# Altium PCB AUV4.5-2 Lights Control Board.PcbDoc (part 2 of 2)
Units mm, origin at the board's own origin, x right, y up, seen from the top; angles counter-clockwise.
Board outline 55 x 65 mm, 4 copper layers (L1 (SIG + PWR), L2 (GND), L3 (GND), L4 (SIG + PWR)), stack 1.586 mm thick; 88 components, 83 nets, 348 pads, 169 vias.
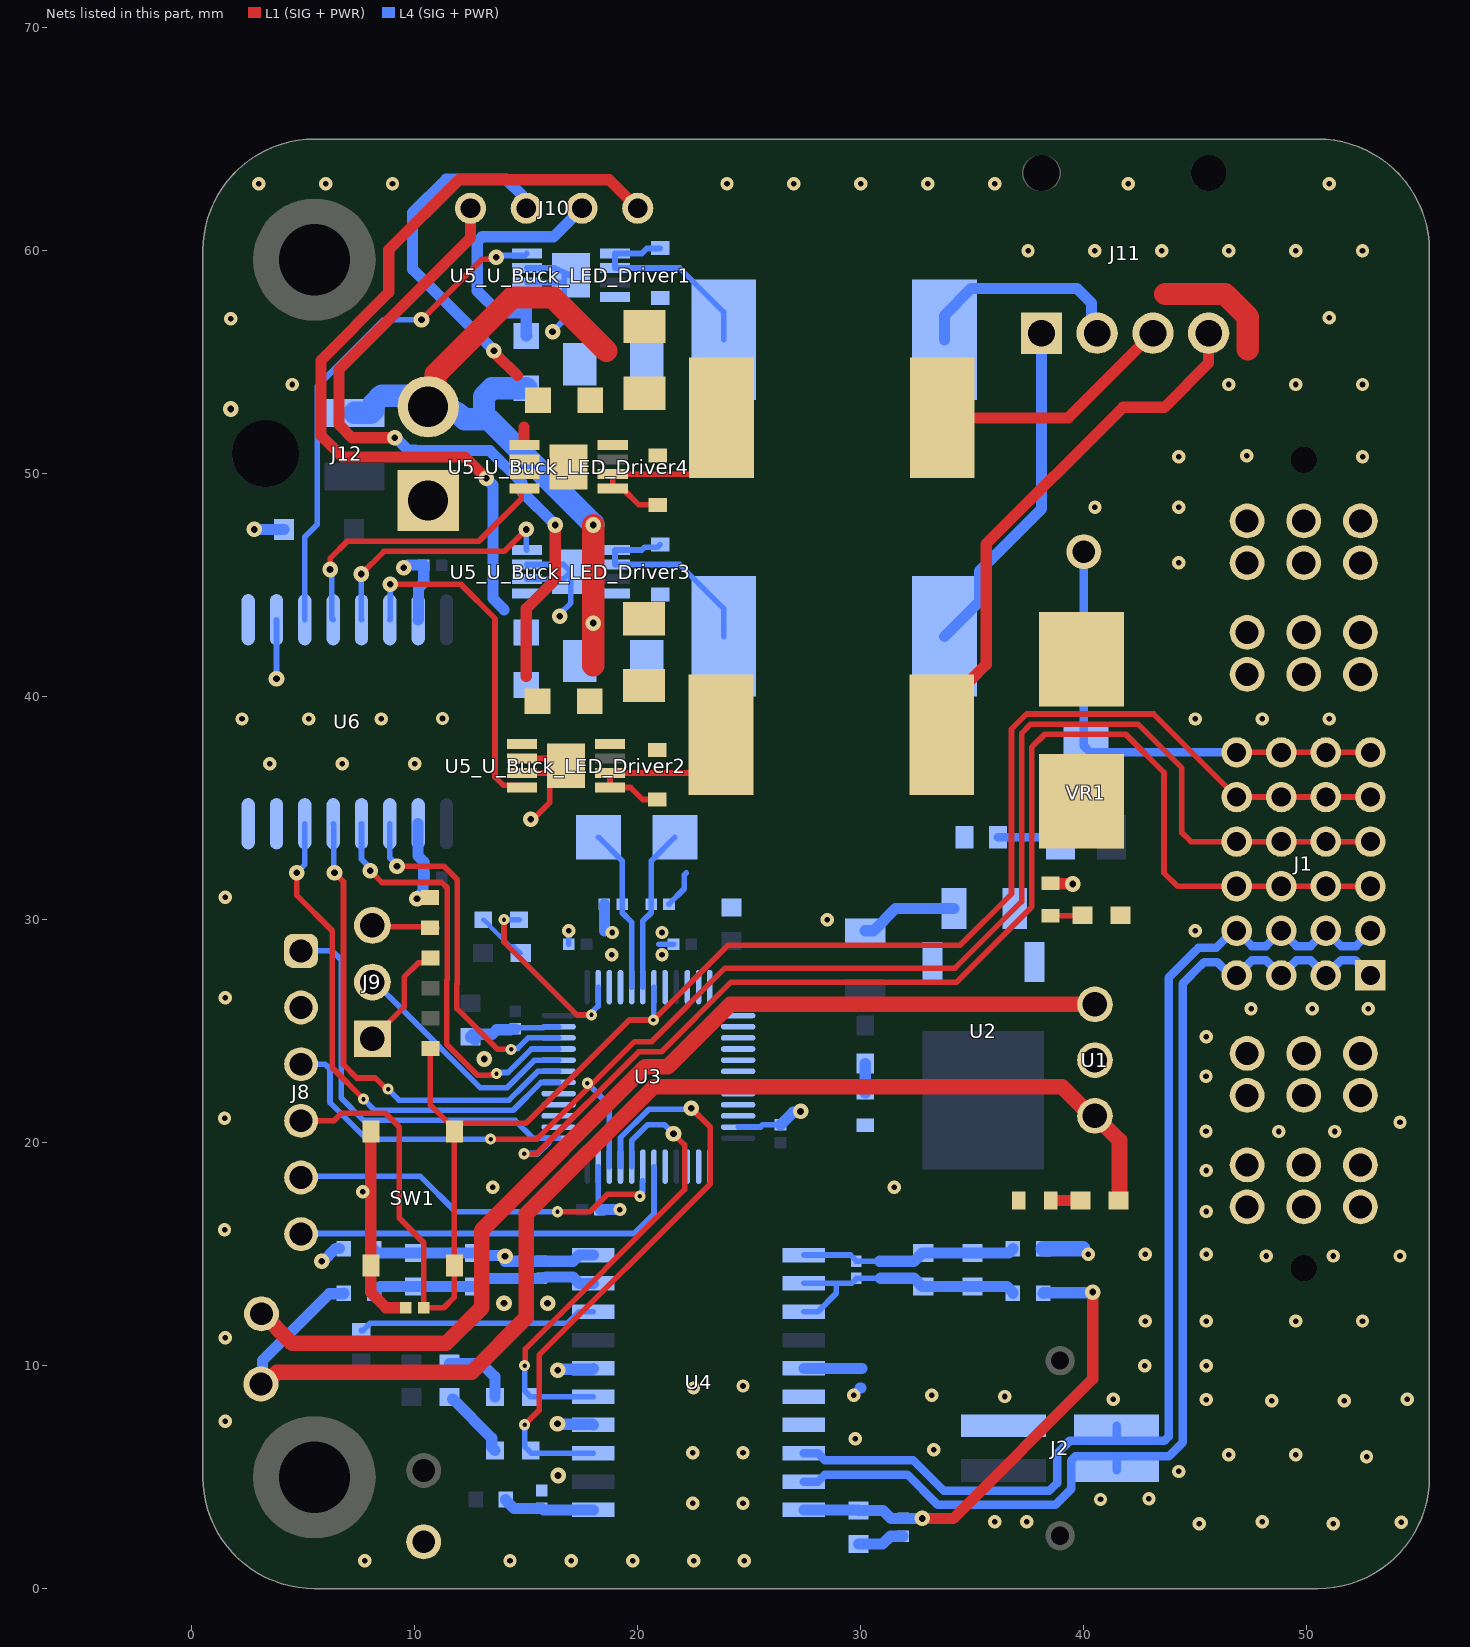
[diagram p4: the nets of this part, all layers, seen from the top]

## Via types
v1: diameter 0.6, hole 0.25, L1 (SIG + PWR) to L4 (SIG + PWR), tented both sides, 113 vias
v2: diameter 0.7, hole 0.3, L1 (SIG + PWR) to L4 (SIG + PWR), tented both sides, 42 vias
v3: diameter 0.5, hole 0.2, L1 (SIG + PWR) to L4 (SIG + PWR), tented both sides, 14 vias

## Nets (pads, with @x,y where several pads share a name; then routed paths per layer and width w, separated by ;. In a path a pad name is that pad's centre, name@x,y a point inside that pad or via, vN(x,y) a via of type N, cw(c..) or ccw(c..) an arc to the next point about the centre after c; other vN are vias at no path point) (continued)
+5V: C1.2 FB2.1 J5.1 R3.1 U1.3 U2.3 | length 56.1
  L1 (SIG + PWR) w0.7: J5.1@3.1,9.5 3.209,9.391 3.502,9.391 3.81,9.7 12.543,9.7 15,12.157 15,16.8 20.7,22.5 39.038,22.5 40.338,21.2 U1.3@40.5,21.2 41.6,20.1 41.6,17.45 R3.1@41.55,17.4
  L4 (SIG + PWR) w0.5: J5.1@3.1,9.5 3.166,9.566 3.166,10.226 6.161,13.221 6.796,13.221 FB2.1@6.825,13.25
+12V: F1.2 J4.1 R2.1 U1.1 | length 46.3
  L1 (SIG + PWR) w0.7: J4.1@3.075,12.425 4.5,11 11.4,11 13,12.6 13,16.073 20.327,23.4 21.342,23.4 24.142,26.2 U1.1@40.5,26.2
+12V_IN: F1.1 J1.P03_1 J1.P03_2 J1.P03_3 J1.P03_4 J1.P03_5 J1.P03_6
+14.8V_UN-ISO: C22_U_Buck_LED_Driver1.2 C22_U_Buck_LED_Driver2.2 C22_U_Buck_LED_Driver3.2 C22_U_Buck_LED_Driver4.2 D4_U_Buck_LED_Driver1.1 D4_U_Buck_LED_Driver2.1 D4_U_Buck_LED_Driver3.1 D4_U_Buck_LED_Driver4.1 J12.2 R12_U_Buck_LED_Driver1.1 R12_U_Buck_LED_Driver2.1 R12_U_Buck_LED_Driver3.1 R12_U_Buck_LED_Driver4.1 R13.1 U5_U_Buck_LED_Driver1.8 U5_U_Buck_LED_Driver2.8 U5_U_Buck_LED_Driver3.8 U5_U_Buck_LED_Driver4.8 | length 34.6
  L1 (SIG + PWR) w1: J12.2@10.6,53 10.925,53.325 10.925,54.456 14.369,57.9 16.2,57.9 18.6,55.5 ; 18,41.396 v2(18,47.7)
  L4 (SIG + PWR) w1: R13.1@7.3,52.725 8.025,52.725 8.15,52.85 8.15,53.134 8.516,53.5 9.626,53.5 10.126,53 10.892,53 cw(c10.892,51.102) 12.234,52.444 13.1,52.444 ; R12_U_Buck_LED_Driver1.1@15,53.825 13.466,53.825 13.1,53.459 13.1,52.444 ; v2(18,47.7) 18,47.749 13.304,52.444 13.1,52.444
  other v2: 18,43.3
Board_ID: J1.A06 J1.B06 J1.C06 J1.D06 J7.1 VR1.2 | length 21.7
  L1 (SIG + PWR) w0.254: J1.D06@46.855,37.5 J1.C06@48.855,37.5 J1.B06@50.855,37.5 J1.A06@52.855,37.5
  L4 (SIG + PWR) w0.381: J7.1@40,46.5 40,37.8 40.3,37.5 J1.D06@46.855,37.5
BOOT0: J9.2 U3.44 | length 10.7
  L4 (SIG + PWR) w0.254: J9.2@8.3,27.24 8.3,27.1 9.352,26.048 12.931,22.469 14.145,22.469 15.375,23.698 16.448,23.698 U3.44@16.45,23.7
BOOT1: U3.20
CAN_N: J1.A02 J1.B02 J1.C02 J1.D02 J2.4 U4.18 | length 51.7
  L4 (SIG + PWR) w0.381: U4.18@27.45,6.07 28.075,6.07 28.393,5.752 32.356,5.752 33.709,4.399 38.462,4.399 38.8,4.738 38.8,6.063 39.372,6.635 41.47,6.635 ; J2.4@41.47,7.3 41.47,6.635 ; J1.A02@52.855,29.5 52.855,29.464 52.209,28.817 51.537,28.817 J1.B02@50.855,29.5 50.172,28.817 49.537,28.817 J1.C02@48.855,29.5 48.172,28.817 47.537,28.817 J1.D02@46.855,29.5 46.697,29.5 45.932,28.735 45.137,28.735 45,28.598 44.172,27.77 43.8,27.398 43.8,6.82 43.615,6.635 41.47,6.635
CAN_P: J1.A01 J1.B01 J1.C01 J1.D01 J2.2 U4.19 | length 51.6
  L4 (SIG + PWR) w0.381: U4.19@27.45,4.8 28.075,4.8 28.393,5.117 32.093,5.117 33.446,3.764 38.725,3.764 39.435,4.475 39.435,5.745 39.62,5.93 41.47,5.93 ; J2.2@41.47,5.3 41.47,5.93 ; J1.A01@52.855,27.5 52.361,27.994 52.361,27.998 52.177,28.182 51.537,28.182 J1.B01@50.855,27.5 50.172,28.182 49.537,28.182 J1.C01@48.855,27.5 48.172,28.182 47.537,28.182 J1.D01@46.855,27.5 46.588,27.5 45.988,28.1 45.4,28.1 45.263,27.963 44.435,27.135 44.435,6.557 43.808,5.93 41.47,5.93
CAN_RX: D3.1 U3.32 U4.5 | length 21.4
  L1 (SIG + PWR) w0.254: v3(14.925,10) 14.958,10.033 14.958,10.754 22.1,17.896 22.1,19.9 v2(21.6,20.4)
  L4 (SIG + PWR) w0.254: v3(14.925,10) 14.927,9.998 14.927,8.873 D3.1@15.2,8.6 15.21,8.61 U4.5@18,8.61 ; U3.32@19.725,18.925 19.725,20.083 20.442,20.8 21.2,20.8 v2(21.6,20.4)
CAN_TX: D2.1 U3.33 U4.3 | length 27.1
  L1 (SIG + PWR) w0.254: v3(14.925,7.35) 15.575,8 15.575,10.475 23.246,18.146 23.246,20.7 v2(22.4,21.546)
  L4 (SIG + PWR) w0.254: v3(14.925,7.35) 14.927,7.348 14.927,6.373 D2.1@15.13,6.17 ; D2.1@15.23,6.07 U4.3@18,6.07 ; U3.33@19.225,18.925 19.225,20.225 20.5,21.5 22.354,21.5 v2(22.4,21.546)
CANISO_+5V: C14.1 C15.1 FB3.1 U4.20 | length 21.9
  L1 (SIG + PWR) w0.5: v2(32.75,3.15) 34.15,3.15 40.4,9.4 v2(40.4,13.3)
  L4 (SIG + PWR) w0.5: U4.20@27.45,3.53 29.9,3.53 C15.1@29.9,3.5 31,3.5 31.35,3.15 C14.1@31.9,3.15 v2(32.75,3.15) ; FB3.1@38.175,13.25 FB3.1@38.2,13.275 ; FB3.1@38.186,13.243 38.211,13.268 40.386,13.268 v2@40.411,13.293 ; v2@40.375,13.275 v2(40.4,13.3)
CANISO_GND: C14.2 C15.2 FB5.1 J1.P01_1 J1.P01_2 J1.P01_3 J1.P01_4 J1.P01_5 J1.P01_6 J1.P02_1 J1.P02_2 J1.P02_3 J1.P02_4 J1.P02_5 J1.P02_6 J2.3 U4.15 U4.16 U4.17 | length 6.5
  L4 (SIG + PWR) w0.5: U4.15@27.45,9.88 30.045,9.88 30.05,9.875 ; C15.2@29.9,2 30.975,2 31.325,2.35 C14.2@31.9,2.35 ; 29.973,9 30,9
  L4 (SIG + PWR) w0.7: FB5.1@38.186,15.243 39.961,15.243
  other v1: 45.18,2.918 51.18,2.918 54.229,2.979 36,3 37.437,3.005 48,3 40.75,4 42.922,4.027 44.252,5.255 52.68,5.918 46.5,6 49.5,6 33.268,6.221 29.754,6.73 48.43,8.418 51.68,8.418 41.314,8.493 45.484,8.48 54.5,8.5 36.451,8.616 29.68,8.668 33.18,8.668 45.496,9.991 42.731,10.001 42.75,12 45.5,12 49.5,12 52.5,12 48.18,14.918 51.18,14.918 54.18,14.918 40.204,14.992 42.75,15 45.5,15 45.5,16.912 45.5,18.75 45.482,20.507 48.75,20.5 51.25,20.5 54.18,20.918 45.482,22.976 45.5,24.75 47.5,26 50.25,26 52.75,26 45,29.5
FB_GND: C13.2 C16.2 C17.2 C18.2 FB4.2 U4.4 U4.6 U4.10 | length 13.3
  L4 (SIG + PWR) w0.5: FB4.2@8.175,15.2 8.175,15.175 8.3,15.05 C16.2@10,15.05 12.788,15.05 12.9,14.938 14.008,14.938 v2(14.046,14.9) ; v2@14.046,14.679 C18.2@15.7,14.679 17.094,14.679 17.375,14.96 U4.10@18,14.96 ; v2(16.4,7.4) 16.43,7.37 17.97,7.37 U4.4@18,7.34 ; v2(16.406,9.8) 16.444,9.838 17.958,9.838 U4.6@18,9.88
  other v2: 16.425,5.075 14,12.8 15.954,12.8
GND: C3.1 C4.1 C5.1 C6.1 C7.1 C8.1 C9.1 C10.1 C11.1 C12.1 C23.1 DS1.2 DS2.2 DS3.2 FB4.1 J1.P04_1 J1.P04_2 J1.P04_3 J1.P04_4 J1.P04_5 J1.P04_6 J3.1 J8.2 R1.1 R5.1 SW1.3 SW1.4 U1.2 U2.1 U3.8 U3.23 U3.35 U3.47 U6.2 U6.7 U6.8 U6.10 | length 31.9
  L1 (SIG + PWR) w0.5: SW1.3@8.025,20.5 SW1.4@8.025,14.5 8.025,13.275 8.7,12.6 C12.1@9.6,12.6 ; DS1.2@38.5,31.625 38.512,31.612 39.488,31.612 v2(39.5,31.6)
  L4 (SIG + PWR) w0.254: v2(3.8,40.8) U6.10@3.8,43.45 ; C7.1@14.5,25.1 14.56,25.16 15.764,25.16 15.802,25.198 16.448,25.198 U3.47@16.45,25.2 ; C4.1@16.9,28.9 v1(16.9,29.496) ; U3.35@18.225,18.925 18.225,17.075 C6.1@18.3,17 ; 20.947,28.9 C8.1@21.6,28.9 ; C11.1@21.4,30.7 22.083,31.383 22.083,32.007 22.169,32.093 ; U3.23@24.5,20.7 25.5,20.7 25.6,20.8 C5.1@26.4,20.8
  L4 (SIG + PWR) w0.5: v2(5.825,14.675) 5.877,14.675 6.452,15.25 FB4.1@6.625,15.25 ; v2(10.1,30.938) 10.1,30.992 10.369,31.261 10.369,31.703 10.39,31.724 10.39,31.89 C23.1@10.4,31.9 10.4,32.6 10.15,32.85 U6.2@10.15,34.3 ; C3.1@12.5,24.723 12.577,24.723 C3.1@12.7,24.6 ; C3.1@12.5,24.75 12.612,24.862 13.462,24.862 13.662,25.062 14.295,25.062 14.324,25.09 14.49,25.09 C7.1@14.5,25.1 ; v2@13.075,23.791 v2(13.114,23.753) ; C6.1@18.3,17 v1(19.2,17) ; 18.5,29.5 C10.1@18.5,30.7 ; C5.1@26.4,20.8 26.962,21.362 27.262,21.362 v2(27.3,21.4)
  other v1: 7.75,1.25 14.268,1.26 17.018,1.26 19.768,1.26 22.518,1.26 24.768,1.26 22.468,3.838 24.718,3.838 22.468,6.088 24.718,6.088 1.5,7.5 22.5,9 24.718,9.088 1.5,11.25 1.468,16.088 7.674,17.807 13.5,18 31.5,18 1.468,21.088 1.5,26.5 18.825,28.425 21.086,28.425 18.85,29.425 21.086,29.425 28.5,30 1.5,31 3.5,37 6.75,37 10,37 2.25,39 5.25,39 8.5,39 11.241,39.021 45,39 48,39 51,39 44.25,46 40.5,48.5 44.25,48.5 44.25,50.75 52.5,50.75 47.312,50.8
GND_UN-ISO: C22_U_Buck_LED_Driver1.1 C22_U_Buck_LED_Driver2.1 C22_U_Buck_LED_Driver3.1 C22_U_Buck_LED_Driver4.1 C24.1 D5.2 J12.1 U5_U_Buck_LED_Driver1.2 U5_U_Buck_LED_Driver1.3 U5_U_Buck_LED_Driver1.9 U5_U_Buck_LED_Driver2.2 U5_U_Buck_LED_Driver2.3 U5_U_Buck_LED_Driver2.9 U5_U_Buck_LED_Driver3.2 U5_U_Buck_LED_Driver3.3 U5_U_Buck_LED_Driver3.9 U5_U_Buck_LED_Driver4.2 U5_U_Buck_LED_Driver4.3 U5_U_Buck_LED_Driver4.9 U6.9 U6.15 | length 30.5
  L1 (SIG + PWR) w0.254: U5_U_Buck_LED_Driver2.3@14.802,36.575 U5_U_Buck_LED_Driver2.9@16.452,36.575 ; U5_U_Buck_LED_Driver2.2@14.802,37.225 16.452,37.225 U5_U_Buck_LED_Driver2.9@16.777,36.9 U5_U_Buck_LED_Driver2.9@16.452,36.575 ; v2(15.2,34.5) 15.3,34.5 16.054,35.254 16.054,36.177 U5_U_Buck_LED_Driver2.9@16.452,36.575
  L1 (SIG + PWR) w1: 43.655,58.055 46.327,58.055 47.355,57.027 47.355,55.573
  L4 (SIG + PWR) w0.254: U5_U_Buck_LED_Driver3.2@15.025,45.275 16.675,45.275 U5_U_Buck_LED_Driver3.9@17,45.6 ; U5_U_Buck_LED_Driver3.3@15.025,45.925 16.675,45.925 U5_U_Buck_LED_Driver3.9@17,45.6 ; U5_U_Buck_LED_Driver1.2@15.025,58.575 U5_U_Buck_LED_Driver1.9@16.7,58.575 ; U5_U_Buck_LED_Driver1.3@15.025,59.225 16.277,59.225 U5_U_Buck_LED_Driver1.9@17,58.9 16.7,58.9 U5_U_Buck_LED_Driver1.9@16.7,58.575 ; v2(16.179,56.36) 16.179,56.379 16.7,56.9 U5_U_Buck_LED_Driver1.9@16.7,58.575 ; v2(16.5,43.6) 16.5,43.7 17,44.2 U5_U_Buck_LED_Driver3.9@17,45.6
  L4 (SIG + PWR) w0.5: v2(2.8,47.5) D5.2@4.125,47.5 ; v2(9.5,45.783) 9.554,45.783 9.671,45.9 C24.1@10.4,45.9 10.4,45.1 10.169,44.869 10.169,43.469 U6.15@10.15,43.45
  other v1: 4.5,54 46.5,54 49.5,54 52.5,54 1.744,56.948 51,57 37.5,60 40.5,60 43.5,60 46.5,60 49.5,60 52.5,60 3,63 6,63 9,63 24,63 27,63 30,63 33,63 36,63 42,63 51,63
  other v2: 1.75,52.9
LED1_A: J10.1 R12_U_Buck_LED_Driver3.2 U5_U_Buck_LED_Driver3.1 | length 37
  L1 (SIG + PWR) w0.5: v2(13.2,49.8) 12.245,50.755 6.749,50.755 5.792,51.712 5.792,55.081 8.83,58.119 8.83,60.038 11.97,63.178 18.721,63.178 J10.1@20,61.9
  L4 (SIG + PWR) w0.5: v2(13.2,49.8) 13.2,49.78 13.5,49.48 13.5,44.4 14,43.9
LED1_K: J11.1 L1_U_Buck_LED_Driver3.1 | length 15.4
  L4 (SIG + PWR) w0.5: L1_U_Buck_LED_Driver3.1@33.75,42.7 35.323,44.273 35.323,45.639 38.1,48.416 J11.1@38.1,56.3
LED1_PWM: U3.45 U6.4 | length 19.2
  L1 (SIG + PWR) w0.254: v2(8,32.2) 8.531,31.669 11.216,31.669 11.454,31.431 11.454,27.316 11.433,27.295 11.433,24.399 12.811,23.022 13.416,23.022 13.448,23.053 13.618,23.053 v3(13.665,23.1)
  L4 (SIG + PWR) w0.254: U6.4@7.61,34.3 7.61,32.711 8,32.321 v2(8,32.2) ; v3(13.665,23.1) 13.712,23.147 14.182,23.147 15.235,24.2 U3.45@16.45,24.2
LED1_PWM_UNISO: U5_U_Buck_LED_Driver3.4 U6.13 | length 11.2
  L1 (SIG + PWR) w0.254: v2(7.6,45.5) 8.614,46.514 14.014,46.514 v2(15,47.5)
  L4 (SIG + PWR) w0.254: v2(7.6,45.5) 7.605,45.495 7.605,43.455 U6.13@7.61,43.45 ; v2(15,47.5) 15,46.6 U5_U_Buck_LED_Driver3.4@15.025,46.575
LED2_A: J10.2 R12_U_Buck_LED_Driver1.2 U5_U_Buck_LED_Driver1.1 | length 11.7
  L4 (SIG + PWR) w0.5: 15,57.7 15,57.2 ; R12_U_Buck_LED_Driver1.2@15.025,56.2 R12_U_Buck_LED_Driver1.2@15,56.175 15,57.2 ; J10.2@17.5,61.9 16.221,60.621 13.02,60.621 12.8,60.402 12.8,58.2 13.8,57.2 15,57.2
LED2_K: J11.2 L1_U_Buck_LED_Driver1.1 | length 10.4
  L4 (SIG + PWR) w0.5: L1_U_Buck_LED_Driver1.1@33.75,56 33.75,57.1 34.95,58.3 39.698,58.3 40.342,57.657 40.342,56.558 J11.2@40.6,56.3 40.745,56.622 40.745,56.703 J11.2@40.745,56.709
LED2_PWM: U3.42 U6.6 | length 23.2
  L1 (SIG + PWR) w0.254: v2(4.7,32.1) 4.7,31.1 6.3,29.5 6.3,23.358 7.7,21.958 v3(7.7,21.953)
  L4 (SIG + PWR) w0.254: v2(4.7,32.1) 5.07,32.471 U6.6@5.07,34.3 ; v3(7.7,21.953) 8.199,21.454 14.415,21.454 15.659,22.698 16.448,22.698 U3.42@16.45,22.7
LED2_PWM_UNISO: U5_U_Buck_LED_Driver1.4 U6.11 | length 22.6
  L1 (SIG + PWR) w0.254: v2(10.3,56.9) 13.015,59.615 13.569,59.615 v2(13.654,59.7)
  L4 (SIG + PWR) w0.254: U6.11@5.07,43.45 5.07,47.17 5.623,47.723 5.623,53.923 8.6,56.9 v2(10.3,56.9) ; v2(13.654,59.7) 13.739,59.785 14.935,59.785 U5_U_Buck_LED_Driver1.4@15.025,59.875
LED3_A: J10.3 R12_U_Buck_LED_Driver4.2 U5_U_Buck_LED_Driver4.1 | length 16.3
  L1 (SIG + PWR) w0.5: v2(13.549,55.519) 13.549,55.464 13.649,55.364 13.649,55.351 14.6,54.4 ; 14.9,51.5 14.9,52.1
  L4 (SIG + PWR) w0.5: v2@13.542,55.526 9.9,59.168 9.9,61.7 11.4,63.2 14.1,63.2 14.828,62.472 14.828,62.072 J10.3@15,61.9
LED3_K: J11.3 L1_U_Buck_LED_Driver4.1 | length 11
  L1 (SIG + PWR) w0.5: L1_U_Buck_LED_Driver4.1@33.65,52.5 39.3,52.5 J11.3@43.1,56.3
LED3_PWM: U3.43 U6.5 | length 21.8
  L1 (SIG + PWR) w0.254: v2(6.4,32.1) 6.8,31.7 6.8,23.5 7.4,22.9 8.234,22.9 8.734,22.4 v3(8.8,22.4)
  L4 (SIG + PWR) w0.254: U6.5@6.34,34.3 6.37,34.27 6.37,32.13 v2(6.4,32.1) ; v3(8.8,22.4) 9.292,21.908 14.227,21.908 14.894,22.575 15.517,23.198 16.448,23.198 U3.43@16.45,23.2
LED3_PWM_UNISO: U5_U_Buck_LED_Driver4.4 U6.12 | length 13
  L1 (SIG + PWR) w0.254: v2(6.2,45.7) 6.212,45.712 6.212,46.212 6.968,46.968 12.868,46.968 14.771,48.871 14.771,49.227 14.827,49.227 U5_U_Buck_LED_Driver4.4@14.925,49.325
  L4 (SIG + PWR) w0.254: v2(6.2,45.7) 6.274,45.626 6.274,43.516 U6.12@6.34,43.45
LED4_A: J10.4 R12_U_Buck_LED_Driver2.2 U5_U_Buck_LED_Driver2.1 | length 31.3
  L1 (SIG + PWR) w0.5: v2(9.1,51.609) 7.191,51.609 6.6,52.2 6.6,54.664 12.5,60.564 J10.4@12.5,61.9 ; 15,40.9 15,43.95 16.3,45.25 v2(16.3,47.7)
  L4 (SIG + PWR) w0.5: v2(9.1,51.609) 9.154,51.609 9.703,51.06 10.031,51.06 10.046,51.045 13.36,51.045 14.811,49.594 14.811,49.189 v2(16.3,47.7)
LED4_K: J11.4 L1_U_Buck_LED_Driver2.1 | length 24.1
  L1 (SIG + PWR) w0.5: L1_U_Buck_LED_Driver2.1@33.627,38.3 33.627,39.496 34.827,40.696 34.886,40.696 35.623,41.433 35.623,46.839 41.761,52.977 43.611,52.977 45.6,54.966 J11.4@45.6,56.3
LED4_PWM: U3.46 U6.3 | length 16.3
  L1 (SIG + PWR) w0.254: v2(9.2,32.4) 11.3,32.4 11.908,31.792 11.908,27.128 11.887,27.107 11.887,26.013 13.713,24.187 14.313,24.187 v3(14.321,24.179)
  L4 (SIG + PWR) w0.254: U6.3@8.88,34.3 8.88,32.773 9.2,32.453 v2(9.2,32.4) ; v3(14.321,24.179) 14.368,24.226 14.608,24.226 15.082,24.7 U3.46@16.45,24.7
LED4_PWM_UNISO: U5_U_Buck_LED_Driver2.4 U6.14 | length 15.4
  L1 (SIG + PWR) w0.254: v2(8.905,45.038) 12.062,45.038 13.6,43.5 13.6,36.4 13.977,36.023 14.704,36.023 U5_U_Buck_LED_Driver2.4@14.802,35.925
  L4 (SIG + PWR) w0.254: U6.14@8.88,43.45 8.905,43.475 v2(8.905,45.038)
NetC1_1: C1.1 C2.1 | length 4.4
  L4 (SIG + PWR) w0.5: C2.1@30.2,29.5 30.56,29.5 31.56,30.5 C1.1@34.18,30.5
NetC13_1: C13.1 FB1.2 U4.1 | length 4.1
  L4 (SIG + PWR) w0.5: FB1.2@14.075,4 14.075,3.975 14.45,3.6 C13.1@15.7,3.6 15.77,3.53 U4.1@18,3.53
NetC16_1: C16.1 C17.1 C18.1 FB2.2 U4.9 | length 10.3
  L4 (SIG + PWR) w0.5: FB2.2@8.175,13.2 FB2.2@8.175,13.225 ; FB2.2@8.175,13.25 8.175,13.275 8.45,13.55 C16.1@10,13.55 12.75,13.55 13.115,13.915 C18.1@15.686,13.915 ; C18.1@15.7,13.921 15.708,13.929 15.848,13.929 15.89,13.971 17.094,13.971 17.375,13.69 U4.9@18,13.69
NetC19_1: C19.1 C20.1 C21.1 FB3.2 U4.12 U4.13 | length 12
  L4 (SIG + PWR) w0.254: U4.13@27.45,12.42 28.075,12.42 28.9,13.245 28.9,13.69 ; U4.12@27.45,13.69 28.9,13.69 ; 30.879,13.921 C19.1@29.8,13.921 29.8,13.9 29.59,13.69 28.9,13.69
  L4 (SIG + PWR) w0.5: 30.879,13.921 32.379,13.921 32.75,13.55 C20.1@32.8,13.55 C21.1@35,13.55 36.55,13.55 36.825,13.275 FB3.2@36.825,13.25
NetC19_2: C19.2 C20.2 C21.2 FB5.2 U4.11 | length 9.8
  L4 (SIG + PWR) w0.254: U4.11@27.45,14.96 29.54,14.96 29.8,14.7 C19.2@29.8,14.679 30.85,14.679
  L4 (SIG + PWR) w0.5: 30.85,14.679 32.38,14.679 32.6,14.898 32.6,14.9 32.75,15.05 C20.2@32.8,15.05 C21.2@35,15.05 36.65,15.05 36.825,15.225 FB5.2@36.825,15.25
NetD1_2: D1.2 R8.2 | length 2.3
  L4 (SIG + PWR) w0.203: D1.2@13.073,30 13.098,30 13.371,29.726 13.371,29.701 14.274,28.798 14.452,28.798 R8.2@14.75,28.5
NetD2_2: D2.2 R9.2 | length 3.1
  L4 (SIG + PWR) w0.5: R9.2@11.7,8.5 11.75,8.45 13.45,6.75 13.45,6.35 D2.2@13.6,6.2
NetD3_2: D3.2 R10.2 | length 3.2
  L4 (SIG + PWR) w0.5: R10.2@11.55,10.1 13,10.1 13.6,9.5 D3.2@13.6,8.6
NetD4_U_Buck_LED_Driver1_2: D4_U_Buck_LED_Driver1.2 L1_U_Buck_LED_Driver1.2 U5_U_Buck_LED_Driver1.5 U5_U_Buck_LED_Driver1.6 | length 9.7
  L4 (SIG + PWR) w0.254: D4_U_Buck_LED_Driver1.2@21,60.115 20.985,60.1 20.4,60.1 20.175,59.875 U5_U_Buck_LED_Driver1.5@18.975,59.875 U5_U_Buck_LED_Driver1.6@18.975,59.225 21.875,59.225 23.85,57.25 L1_U_Buck_LED_Driver1.2@23.85,56
NetD4_U_Buck_LED_Driver2_2: D4_U_Buck_LED_Driver2.2 L1_U_Buck_LED_Driver2.2 U5_U_Buck_LED_Driver2.5 U5_U_Buck_LED_Driver2.6 | length 8.9
  L1 (SIG + PWR) w0.254: D4_U_Buck_LED_Driver2.2@20.877,35.385 20.215,35.385 19.675,35.925 U5_U_Buck_LED_Driver2.5@18.752,35.925 U5_U_Buck_LED_Driver2.6@18.752,36.575 22.404,36.575 23.727,37.898 L1_U_Buck_LED_Driver2.2@23.727,38.3
NetD4_U_Buck_LED_Driver3_2: D4_U_Buck_LED_Driver3.2 L1_U_Buck_LED_Driver3.2 U5_U_Buck_LED_Driver3.5 U5_U_Buck_LED_Driver3.6 | length 9.7
  L4 (SIG + PWR) w0.254: D4_U_Buck_LED_Driver3.2@21,46.815 20.885,46.7 20.3,46.7 20.175,46.575 U5_U_Buck_LED_Driver3.5@18.975,46.575 U5_U_Buck_LED_Driver3.6@18.975,45.925 21.875,45.925 23.85,43.95 L1_U_Buck_LED_Driver3.2@23.85,42.7
NetD4_U_Buck_LED_Driver4_2: D4_U_Buck_LED_Driver4.2 L1_U_Buck_LED_Driver4.2 U5_U_Buck_LED_Driver4.5 U5_U_Buck_LED_Driver4.6 | length 9.6
  L1 (SIG + PWR) w0.254: D4_U_Buck_LED_Driver4.2@20.9,48.585 20.885,48.6 20.05,48.6 19.325,49.325 U5_U_Buck_LED_Driver4.5@18.875,49.325 U5_U_Buck_LED_Driver4.6@18.875,49.975 22.427,49.975 23.75,51.298 L1_U_Buck_LED_Driver4.2@23.75,52.5
NetDS1_1: DS1.1 R2.2 | length 1.5
  L1 (SIG + PWR) w0.254: DS1.1@38.5,30.175 39.925,30.175 R2.2@39.95,30.2
NetDS2_1: DS2.1 R3.2 | length 1.3
  L1 (SIG + PWR) w0.5: DS2.1@38.525,17.4 R3.2@39.85,17.4
NetDS3_1: DS3.1 R4.2 | length 1.3
  L4 (SIG + PWR) w0.5: DS3.1@30.2,22.225 R4.2@30.2,23.55
NetJ9_1: J9.1 R6.1 | length 4.9
  L1 (SIG + PWR) w0.254: J9.1@8.1,24.66 9.523,26.083 9.523,27.423 10.174,28.074 10.498,28.074 R6.1@10.7,28.277
NetJ9_3: J9.3 R5.2 | length 3.1
  L1 (SIG + PWR) w0.254: J9.3@8.1,29.74 8.158,29.682 10.942,29.682 R5.2@11,29.623 ; J9.3@8.3,29.78 J9.3@8.378,29.702
NetR1_2: R1.2 VR1.1 | length 2.8
  L4 (SIG + PWR) w0.381: R1.2@36.15,33.7 VR1.1@38.95,33.7
NetR11_2: R11.2 U4.8 | length 10.7
  L4 (SIG + PWR) w0.254: R11.2@7.6,11.577 7.677,11.577 8,11.9 16.855,11.9 17.375,12.42 U4.8@18,12.42
NetU3_38: U3.38
NRST: C12.2 J1.A05 J1.B05 J1.C05 J1.D05 J8.4 R7.2 SW1.1 SW1.2 U3.7 | length 82.8
  L1 (SIG + PWR) w0.254: J8.4@4.9,20.98 6.38,20.98 6.722,21.322 8.678,21.322 9.3,20.7 9.3,16.614 10.4,15.514 C12.2@10.4,12.6 11.3,12.6 11.775,13.075 SW1.2@11.775,14.5 SW1.1@11.775,20.5 SW1.1@11.775,20.614 ; J8.4@4.9,21.48 J8.4@5.007,21.373 ; R7.2@10.7,24.223 10.7,21.689 SW1.1@11.775,20.614 ; J1.A05@52.855,35.5 J1.B05@50.855,35.5 J1.C05@48.855,35.5 J1.D05@46.855,35.5 43.132,39.223 37.436,39.223 36.756,38.543 36.756,31.156 34.451,28.851 24.051,28.851 v3(20.7,25.5) 19.616,25.5 14.984,20.868 12.029,20.868 SW1.1@11.775,20.614
  L4 (SIG + PWR) w0.254: v3(20.7,25.5) 20.723,25.523 20.723,26.973 U3.7@20.725,26.975
PA0: U3.10
PA1: U3.11
PA2: U3.12
PA3: U3.13
PA4: U3.14
PA5: U3.15
PA6: U3.16
PA7: U3.17
PA8: U3.29
PB0: U3.18
PB1: U3.19
PB3: U3.39
PB4: U3.40
PB5: U3.41
PB10: U3.21
PB11: U3.22
PB12: U3.25
PB13: U3.26
PB14: U3.27
PC14: U3.3
PC15: U3.4
RCC_OSC_IN: C10.2 U3.5 XTAL1.1 | length 8
  L4 (SIG + PWR) w0.254: XTAL1.1@18.235,33.7 19.3,32.635 C10.2@19.3,30.7 19.3,30.313 19.725,29.888 U3.5@19.725,26.975 19.727,26.977 U3.5@19.727,27.623
RCC_OSC_OUT: C11.2 U3.6 XTAL1.2 | length 7.3
  L4 (SIG + PWR) w0.254: U3.6@20.225,26.975 20.225,29.938 20.6,30.313 C11.2@20.6,30.7 20.6,32.635 XTAL1.2@21.664,33.7
STM_STATUS: D1.1 U3.2 | length 8.3
  L1 (SIG + PWR) w0.254: v3(14,30) 14,29 17.272,25.728 v3(17.924,25.728)
  L4 (SIG + PWR) w0.254: v3(14,30) D1.1@14.673,30 ; v3(17.924,25.728) 17.971,25.775 17.971,25.871 18.223,26.123 18.223,26.973 U3.2@18.225,26.975
SWCLK: J1.A03 J1.B03 J1.C03 J1.D03 J8.1 U3.37 | length 75.7
  L1 (SIG + PWR) w0.254: v3(14.9,19.5) 15.47,19.5 20.047,24.077 21.062,24.077 24.185,27.2 34.3,27.2 37.668,30.568 37.668,37.735 38.248,38.315 41.885,38.315 43.6,36.6 43.6,32.1 44.2,31.5 J1.D03@46.855,31.5 J1.C03@48.855,31.5 J1.B03@50.855,31.5 J1.A03@52.855,31.5
  L4 (SIG + PWR) w0.254: J8.1@4.9,28.6 6.3,28.6 6.7,28.2 6.7,22 7.7,21 14.5,21 15.3,20.2 U3.37@16.006,20.2 ; v3@14.967,19.5 v3(14.9,19.5) 14.914,19.514 15.527,19.514 16.004,19.991 16.004,20.198 U3.37@16.006,20.2 ; U3.37@16.45,20.2 U3.37@16.006,20.2
SWDIO: J1.A04 J1.B04 J1.C04 J1.D04 J8.3 U3.34 | length 70.6
  L1 (SIG + PWR) w0.254: v3(13.4,20.158) 15.486,20.158 v3@17.864,22.536 ; v3(17.739,22.661) v3@17.864,22.536 ; J1.A04@52.855,33.5 J1.B04@50.855,33.5 J1.C04@48.855,33.5 J1.D04@46.855,33.5 44.8,33.5 44.4,33.9 44.4,36.8 42.431,38.769 37.624,38.769 37.21,38.355 37.21,30.81 34.225,27.825 23.917,27.825 20.623,24.531 19.859,24.531 v3@17.864,22.536
  L4 (SIG + PWR) w0.254: J8.3@4.9,23.52 5.98,23.52 6.099,23.401 6.2,23.3 6.2,21.8 7.842,20.158 v3(13.4,20.158) ; v3(17.739,22.661) 18.721,21.679 18.724,21.274 18.725,21.161 U3.34@18.725,18.925
USART1_RX: J8.5 U3.31 | length 16.8
  L1 (SIG + PWR) w0.254: v3(16.4,16.9) 17.849,16.9 18.63,17.681 v3@20.013,17.681
  L4 (SIG + PWR) w0.254: J8.5@4.9,18.44 4.948,18.488 10.249,18.488 11.837,16.9 v3(16.4,16.9) ; v3@20.094,17.606 20.094,17.667 20.214,17.787 20.214,18.268 U3.31@20.223,18.277
  other v3: 20.094,17.6
USART1_TX: J8.6 U3.30 | length 17.8
  L4 (SIG + PWR) w0.254: J8.6@4.9,16.4 J8.6@5.1,16.2 ; 5.659,15.927 19.827,15.927 20.725,16.825 U3.30@20.725,18.925
pads on no net: J1. J2.1 J2.MH1 J2.MH2 J11. J12. U3.28 U4.2 U4.7 U4.14 U5_U_Buck_LED_Driver1.7 U5_U_Buck_LED_Driver2.7 U5_U_Buck_LED_Driver3.7 U5_U_Buck_LED_Driver4.7 VR1.3

## Polygon pours and split planes (outlines as drawn)
GND on L1 (SIG + PWR) "GND_L01_P057" (solid, remove dead copper, pour order 57): 55.443,4.795 cw(c50.656,4.795) 50.656,0.008 50.456,0.008 5.456,0.008 cw(c5.456,5.008) 0.456,5.008 0.456,60.445 cw(c5.316,60.054) 1.943,63.574 cw(c5.405,60.113) 5.405,65.008 50.456,65.008 cw(c50.457,60.181) 53.871,63.594 54.374,63.09 cw(c51.419,60.443) 55.38,60.224
FB_GND on L1 (SIG + PWR) "FB_GND_L01_P055" (solid, remove dead copper, pour order 55): 7.627,15.923 19.252,15.923 21.202,13.973 21.202,2.905 13.402,2.905 13.302,2.905 13.302,5.498 19.102,5.498 19.102,6.498 15.702,6.498 15.702,8.105 19.102,8.105 19.102,9.105 15.702,9.105 15.702,10.798 6.602,10.798 6.602,12.605 7.584,12.605 7.627,12.648
GND_UN-ISO on L1 (SIG + PWR) "GND_UN-ISO_L01_P043" (solid, remove dead copper, pour order 43): 41.9,52.6 35.8,46.5 35.8,31.1 12.7,31.1 12.7,42.3 11.3,42.3 11.3,45.1 9.8,45.1 9.8,42.3 0.5,42.3 0.5,60.11 cw(c5.304,60.11) 1.907,63.507 1.915,63.515 cw(c5.5,59.93) 5.5,65 27.8,65 50.5,65 cw(c50.5,60.172) 53.914,63.586 54.329,63.171 cw(c51.366,60.429) 55.4,60.271 55.4,52.6
+14.8V_UN-ISO on L1 (SIG + PWR) "+14.8V_UN-ISO_L01_P039" (solid, remove dead copper, pour order 39): 16.9,38.5 17.9,38.5 17.9,37.6 18,37.5 19.8,37.5 19.8,36.9 21.8,36.9 21.8,41.9 16.9,41.9 16.9,40.8
LED4_A on L1 (SIG + PWR) "LED4_A_L01_P036" (solid, remove dead copper, pour order 36): 14.4,41.1 14.4,38.9 14,38.9 14,37.6 15.7,37.6 15.7,41.1
LED3_A on L1 (SIG + PWR) "LED3_A_L01_P031" (solid, remove dead copper, pour order 31): 14,53.1 14,51.8 15.7,51.8 15.7,53 16.5,53 16.5,54.8 14.3,54.8 14.3,53.1
+14.8V_UN-ISO on L1 (SIG + PWR) "+14.8V_UN-ISO_L01_P040" (solid, remove dead copper, pour order 40): 19.804,51 19.804,50.764 19.804,50.476 21.744,50.476 21.8,50.42 21.8,56 18.2,56 18.2,54.7 17.4,54.7 17.4,52.909 17.9,52.5 17.9,51
+12V_IN on L1 (SIG + PWR) "+12V_IN_L01_P046" (solid, remove dead copper, pour order 46): 37.2,44.4 54,44.4 54,39.7 43.2,39.7 42.3,38.8 37.2,38.8
CANISO_GND on L1 (SIG + PWR) "CANISO_GND_L01_P054" (solid, remove dead copper, pour order 54): 50.5,0 ccw(c50.5,5) 55.5,5 55.5,30.5 43,30.5 43,16.2 38.8,16.2 38.8,10.6 26,10.6 26,0
+12V on L1 (SIG + PWR) "+12V_L01_P050" (solid, remove dead copper, pour order 50): 42.5,25 42.5,32.5 42.5,38.2 37.2,38.2 37.2,32.5 40.7,32.5 40.7,30.25 39.1,29.05 39.1,25
GND on L4 (SIG + PWR) "GND_L04_P053" (solid, remove dead copper, pour order 53): 55.453,4.787 cw(c50.666,4.787) 50.666,0 50.466,0 5.466,0 cw(c5.466,5) 0.466,5 0.466,60.437 cw(c5.326,60.046) 1.952,63.566 cw(c5.414,60.104) 5.414,65 50.466,65 cw(c50.467,60.173) 53.88,63.586 54.384,63.082 cw(c51.428,60.435) 55.39,60.216
CANISO_GND on L4 (SIG + PWR) "CANISO_GND_L04_P052" (solid, remove dead copper, pour order 52): 50.501,-0.047 ccw(c50.501,4.953) 55.501,4.953 55.501,30.493 43.001,30.493 43.001,16.153 38.801,16.153 38.801,10.553 26.001,10.553 26.001,-0.047
FB_GND on L4 (SIG + PWR) "FB_GND_L04_P048" (solid, remove dead copper, pour order 48): 7.625,15.925 19.25,15.925 21.2,13.975 21.2,2.907 13.4,2.907 13.3,2.907 13.3,5.5 19.1,5.5 19.1,6.5 15.7,6.5 15.7,8.107 19.1,8.107 19.1,9.107 15.7,9.107 15.7,10.8 6.6,10.8 6.6,12.607 7.582,12.607 7.625,12.65
GND_UN-ISO on L4 (SIG + PWR) "GND_UN-ISO_L04_P042" (solid, pour order 42): 50.5,65 cw(c50.5,60) 55.5,60 55.5,52.5 42.8,52.5 35.8,45.5 35.8,36 12.7,36 12.7,42.1 0.5,42.1 0.5,60.11 cw(c5.304,60.11) 1.907,63.507 cw(c5.5,59.93) 5.5,65
+14.8V_UN-ISO on L4 (SIG + PWR) "+14.8V_UN-ISO_L04_P038" (solid, remove dead copper, pour order 38): 14.1,53.1 18.6,53.1 18.6,56.9 22,56.9 22,58.2 18.473,58.2 16.2,56.2 16.2,54.6 14.1,54.6
LED1_A on L4 (SIG + PWR) "LED1_A_L04_P035" (solid, remove dead copper, pour order 35): 13.9,45.275 13.9,41.7 16,41.7 16,45.275
LED2_A on L4 (SIG + PWR) "LED2_A_L04_P034" (solid, remove dead copper, pour order 34): 13.8,58.2 13.8,55 15.6,55 15.6,58.2
+14.8V_UN-ISO on L4 (SIG + PWR) "+14.8V_UN-ISO_L04_P037" (solid, remove dead copper, pour order 37): 14.05,39.7 18.7,39.7 18.7,43.8 22,43.8 22,44.9 18.536,44.9 16.1,42.756 16.1,41.2 14.05,41.2
+3V3 on L4 (SIG + PWR) "+3V3_L04_P045" (solid, remove dead copper, pour order 45): 38.2,18 32.1,18 32.1,24.1 28.7,24.1 28.7,27.86 28.73,27.89 28.82,27.8 32.2,27.8 32.2,26 38.2,26
+5V on L4 (SIG + PWR) "+5V_L04_P051" (solid, remove dead copper, pour order 51): 35.9,32 38.1,32 38.1,30.6 38.9,29.8 38.9,26.6 38.9,22.6 41.9,22.6 41.9,19.7 35.9,19.7
GND on L3 (GND) (split plane): 54.99,30.629 42.9,30.629 42.85,30.62 42.808,30.592 42.78,30.55 42.771,30.5 42.771,16.429 38.7,16.429 38.65,16.42 38.608,16.392 38.58,16.35 38.571,16.3 38.571,12.154 37.046,10.629 25.9,10.629 25.85,10.62 25.808,10.592 25.78,10.55 25.771,10.5 25.771,0.51 5.5,0.51 5.482,0.509 5.206,0.518 4.914,0.547 4.624,0.594 4.337,0.661 4.056,0.747 3.781,0.85 3.513,0.971 3.254,1.11 3.004,1.265 2.766,1.436 2.538,1.623 2.324,1.824 2.123,2.038 1.936,2.266 1.765,2.504 1.61,2.754 1.471,3.013 1.35,3.281 1.247,3.556 1.161,3.837 1.094,4.124 1.047,4.414 1.018,4.706 1.009,4.982 1.01,5 1.01,41.771 3.125,41.771 3.175,41.78 3.217,41.808 3.245,41.85 3.254,41.9 3.254,44.746 4.321,44.746 4.321,41.9 4.33,41.85 4.358,41.808 4.4,41.78 4.45,41.771 12.371,41.771 12.371,35.9 12.38,35.85 12.408,35.808 12.45,35.78 12.5,35.771 35.9,35.771 35.95,35.78 35.992,35.808 36.02,35.85 36.029,35.9 36.029,45.346 42.954,52.271 54.99,52.271
CANISO_GND on L3 (GND) (split plane): 54.99,5 54.991,4.982 54.982,4.706 54.953,4.414 54.906,4.124 54.839,3.837 54.753,3.556 54.65,3.281 54.529,3.013 54.39,2.754 54.235,2.504 54.064,2.266 53.877,2.038 53.676,1.824 53.462,1.623 53.234,1.436 52.996,1.265 52.746,1.11 52.487,0.971 52.219,0.85 51.944,0.747 51.663,0.661 51.376,0.594 51.086,0.547 50.794,0.518 50.518,0.509 50.5,0.51 26.029,0.51 26.029,10.371 37.1,10.371 37.15,10.38 37.192,10.408 38.792,12.008 38.82,12.05 38.829,12.1 38.829,16.171 42.9,16.171 42.95,16.18 42.992,16.208 43.02,16.25 43.029,16.3 43.029,30.371 54.99,30.371
GND_UN-ISO on L3 (GND) (split plane): 50.794,64.482 51.086,64.453 51.376,64.406 51.663,64.339 51.944,64.253 52.219,64.15 52.487,64.029 52.746,63.89 52.996,63.735 53.234,63.564 53.462,63.377 53.676,63.176 53.877,62.962 54.064,62.734 54.235,62.496 54.39,62.246 54.529,61.987 54.65,61.719 54.753,61.444 54.839,61.163 54.906,60.876 54.953,60.586 54.982,60.294 54.991,60.018 54.99,60 54.99,52.529 42.9,52.529 42.85,52.52 42.808,52.492 35.808,45.492 35.78,45.45 35.771,45.4 35.771,36.029 12.629,36.029 12.629,41.9 12.62,41.95 12.592,41.992 12.55,42.02 12.5,42.029 4.579,42.029 4.579,44.875 4.57,44.925 4.542,44.967 4.5,44.995 4.45,45.004 3.125,45.004 3.075,44.995 3.033,44.967 3.005,44.925 2.996,44.875 2.996,42.029 1.01,42.029 1.01,60 1.009,60.018 1.018,60.294 1.047,60.586 1.094,60.876 1.161,61.163 1.247,61.444 1.35,61.719 1.471,61.987 1.61,62.246 1.765,62.496 1.936,62.734 2.123,62.962 2.324,63.176 2.538,63.377 2.766,63.564 3.004,63.735 3.254,63.89 3.513,64.029 3.781,64.15 4.056,64.253 4.337,64.339 4.624,64.406 4.914,64.453 5.206,64.482 5.482,64.491 5.5,64.49 50.5,64.49 50.518,64.491
GND on L2 (GND) (split plane): 54.99,30.629 42.9,30.629 42.85,30.62 42.808,30.592 42.78,30.55 42.771,30.5 42.771,16.429 38.7,16.429 38.65,16.42 38.608,16.392 38.58,16.35 38.571,16.3 38.571,12.154 37.046,10.629 25.9,10.629 25.85,10.62 25.808,10.592 25.78,10.55 25.771,10.5 25.771,0.51 5.5,0.51 5.482,0.509 5.206,0.518 4.914,0.547 4.624,0.594 4.337,0.661 4.056,0.747 3.781,0.85 3.513,0.971 3.254,1.11 3.004,1.265 2.766,1.436 2.538,1.623 2.324,1.824 2.123,2.038 1.936,2.266 1.765,2.504 1.61,2.754 1.471,3.013 1.35,3.281 1.247,3.556 1.161,3.837 1.094,4.124 1.047,4.414 1.018,4.706 1.009,4.982 1.01,5 1.01,41.771 12.371,41.771 12.371,31 12.38,30.95 12.408,30.908 12.45,30.88 12.5,30.871 35.9,30.871 35.95,30.88 35.992,30.908 36.292,31.208 36.32,31.25 36.329,31.3 36.329,46.546 42.054,52.271 54.99,52.271
CANISO_GND on L2 (GND) (split plane): 54.99,5 54.991,4.982 54.982,4.706 54.953,4.414 54.906,4.124 54.839,3.837 54.753,3.556 54.65,3.281 54.529,3.013 54.39,2.754 54.235,2.504 54.064,2.266 53.877,2.038 53.676,1.824 53.462,1.623 53.234,1.436 52.996,1.265 52.746,1.11 52.487,0.971 52.219,0.85 51.944,0.747 51.663,0.661 51.376,0.594 51.086,0.547 50.794,0.518 50.518,0.509 50.5,0.51 26.029,0.51 26.029,10.371 37.1,10.371 37.15,10.38 37.192,10.408 38.792,12.008 38.82,12.05 38.829,12.1 38.829,16.171 42.9,16.171 42.95,16.18 42.992,16.208 43.02,16.25 43.029,16.3 43.029,30.371 54.99,30.371
GND_UN-ISO on L2 (GND) (split plane): 50.794,64.482 51.086,64.453 51.376,64.406 51.663,64.339 51.944,64.253 52.219,64.15 52.487,64.029 52.746,63.89 52.996,63.735 53.234,63.564 53.462,63.377 53.676,63.176 53.877,62.962 54.064,62.734 54.235,62.496 54.39,62.246 54.529,61.987 54.65,61.719 54.753,61.444 54.839,61.163 54.906,60.876 54.953,60.586 54.982,60.294 54.991,60.018 54.99,60 54.99,52.529 42,52.529 41.95,52.52 41.908,52.492 36.108,46.692 36.08,46.65 36.071,46.6 36.071,31.354 35.846,31.129 12.629,31.129 12.629,41.9 12.62,41.95 12.592,41.992 12.55,42.02 12.5,42.029 1.01,42.029 1.01,60 1.009,60.018 1.018,60.294 1.047,60.586 1.094,60.876 1.161,61.163 1.247,61.444 1.35,61.719 1.471,61.987 1.61,62.246 1.765,62.496 1.936,62.734 2.123,62.962 2.324,63.176 2.538,63.377 2.766,63.564 3.004,63.735 3.254,63.89 3.513,64.029 3.781,64.15 4.056,64.253 4.337,64.339 4.624,64.406 4.914,64.453 5.206,64.482 5.482,64.491 5.5,64.49 50.5,64.49 50.518,64.491

## Keep-outs
L1 (SIG + PWR):
  lines w0.254: 0.6,41.9 9.9,41.9 10.917,41.9 12.5,41.9 12.5,31 24.9,31 ; 24.9,30.996 24.9,31 ; 25.911,-0.007 25.911,10.493 37.111,10.493 ; 35.882,30.996 35.896,30.996 ; 37.136,10.518 38.713,12.095 ; 38.711,12.093 38.711,16.293 42.911,16.293 42.911,30.493 ; 42.9,30.5 55.5,30.5 ; 55.5,52.4 42,52.4 36.2,46.6 36.2,31.3 35.9,31 24.9,31
L4 (SIG + PWR):
  lines w0.254: 0.4,41.9 3.248,41.9 ; 3.125,41.9 3.125,44.875 ; 3.248,44.875 4.425,44.875 ; 4.4,41.9 12.5,41.9 12.5,35.9 35.9,35.9 35.9,45.4 42.9,52.4 55.5,52.4 ; 4.45,41.9 4.45,44.875 ; 25.9,0 25.9,10.5 ; 25.911,10.493 25.936,10.518 ; 25.925,10.525 25.9,10.5 ; 37.1,10.5 25.9,10.5 ; 37.125,10.525 38.702,12.102 38.703,12.102 ; 38.7,12.1 38.7,16.3 42.9,16.3 42.9,30.5 ; 42.911,30.493 55.511,30.493 ; 4.425,44.875 4.4,44.875 4.425,44.875 ; 38.713,12.095 38.714,12.095
Keep-Out Layer:
  region: 23.8,16.7 25.8,18.7 25.9,18.8 29,18.8 31.7,16.1 31.7,12.4 29.1,9.8 25.9,9.8 23.3,12.4 23.3,16.2
  region: 26.2,16.3 39.1,16.3 39.1,11.9 26.2,11.9

## Other copper
L2 (GND) (plane layer: these items are gaps in the copper):
  lines w0.254: 0.5,42 0.7,42.2 ; 0.5,42.2 0.8,41.9 3.85,41.9 5.15,41.9 12.5,41.9 12.5,31 35.9,31 36.2,31.3 ; 25.9,0 25.9,10.5 37.1,10.5 38.7,12.1 38.7,16.3 42.9,16.3 42.9,30.5 55.5,30.5 ; 55.5,54.6 55.5,52.4 42,52.4 36.2,46.6 36.2,31.3 ; 36.2,31.3 36.2,31.3
L3 (GND) (plane layer: these items are gaps in the copper):
  lines w0.254: 0.475,41.9 3.125,41.9 3.125,44.875 4.45,44.875 4.45,41.9 12.5,41.9 12.5,35.9 35.9,35.9 35.9,45.4 42.9,52.4 55.5,52.4 55.5,54.6 ; 25.8,0.2 26,0 ; 25.9,0 25.9,10.5 37.1,10.5 38.7,12.1 38.7,16.3 39.1,16.3 42.9,16.3 42.9,30.5 55.5,30.5 ; 43,30.5 43.9,30.5

## Silkscreen, mask and mechanical layers (free items; w line width, h text height)
Top Overlay:
  drawing of 220 lines, arcs and shapes, not listed
  text "LED -" at 35.75,58.45 h1.75 r90
  text "LED1" at 20.296,58.317 h1 r90
  text "LED3" at 15.296,58.253 h1 r90
  text "LED2" at 17.804,58.255 h1 r90
  text "LED4" at 12.804,58.25 h1 r90
  text "LED +" at 11.05,56.55 h1.75 r90
  text "女儿" at 52.789,55.2 h4 r90
  text "LED1" at 37.25,53.15 h1 r90
  text "LED2" at 39.75,53.088 h1 r90
  text "LED3" at 42.135,53.085 h1 r90
  text "LED4" at 44.65,53.083 h1 r90
  text "GND" at 44.828,46.15 h1 r90
  text "BOARD ID" at 42.435,44.65 h1 r90
  text "BATT" at 2.05,42.45 h1.75 r90
  text "2A" at 36.75,41.45 h1.75 r90
  text "+12V" at 44.836,41.05 h1 r90
  text "NRST" at 44.71,34.95 h0.6 r90
  text "SWDIO" at 44.71,32.75 h0.6 r90
  text "PWM Pinouts / PB9, LED4_PWM: Red / PB8, LED1_PWM: White / PB7, LED3_PWM: Green / PB6, LED2_PWM: Blue" at 9.602,32.075 h1.25 r90
  text "SWCLK" at 44.71,30.55 h0.6 r90
  text "+12V LED" at 42.95,29.65 h0.6 r90
  text "-" at 44.663,29.65 h0.6 r90
  text "CAN" at 44.71,28.05 h0.6 r90
  text "SWCLK" at 6.538,27.536 h0.8 r90
  text "+" at 44.71,27.25 h0.6 r90
  text "GND" at 6.538,25.34 h0.8 r90
  text "SWDIO" at 6.538,22.473 h0.8 r90
  text "NRST" at 6.538,20.265 h0.8 r90
  text "RX" at 6.55,18.062 h0.8 r90
  text "CAN GND" at 45.05,17.25 h1.75 r90
  text "+5V LED" at 42.941,16.95 h0.6 r90
  text "TX" at 6.55,15.548 h0.8 r90
  text "MCU RESET" at 14.325,13.85 h1.75 r90
  text "+12V" at 5.45,11.95 h0.8 r90
  text "+5V" at 5.438,8.914 h0.8 r90
  text "POWER" at 8.425,8.55 h1.75 r90
  text "TEST" at 10.525,8.55 h1.75 r90
  text "POINTS" at 12.625,8.55 h1.75 r90
  text "+3V3" at 12.738,4.531 h0.8 r90
  text "女 / 儿" at 52.8,4 h4.5 r90
  text "FROM PSB" at 41.425,2.95 h1.75 r90
  text "GND" at 12.738,1.38 h0.8 r90
  text "AUV 4.5-2 Lights Control" at 22.095,1.2 h1.75 r90
  text "Designed by Irwin" at 23.695,1.2 h1.75 r90
Bottom Overlay:
  circle w0.254: c5.5,59.6 r3.25
  circle w0.254: c5.5,5 r3.25
  text "女儿" at 52.9,62.9 h4 r90
  text "BOARD ID POT" at 38.438,42.85 h0.8 r90
  text "MCU LED" at 12.238,30.65 h0.8 r90
  text "LOW" at 10.538,30.464 h0.8 r90
  text "SWCLK" at 3.738,29.664 h0.8 r90
  text "BOOT0" at 10.538,28.272 h0.8 r90
  text "GND" at 3.738,26.78 h0.8 r90
  text "HIGH" at 10.538,25.464 h0.8 r90
  text "SWDIO" at 3.738,24.567 h0.8 r90
  text "NRST" at 3.738,21.695 h0.8 r90
  text "RX" at 3.738,18.818 h0.8 r90
  text "TX" at 3.738,16.252 h0.8 r90
  text "RX" at 12.85,8.978 h0.8 r90
  text "女 / 儿" at 52.8,8.04 h4.5 r90
  text "CAN" at 12.85,7.162 h0.8
  text "TX" at 12.85,6.552 h0.8 r90